# Altium PCB LST_UP.PcbDoc (part 2 of 5) (continued)
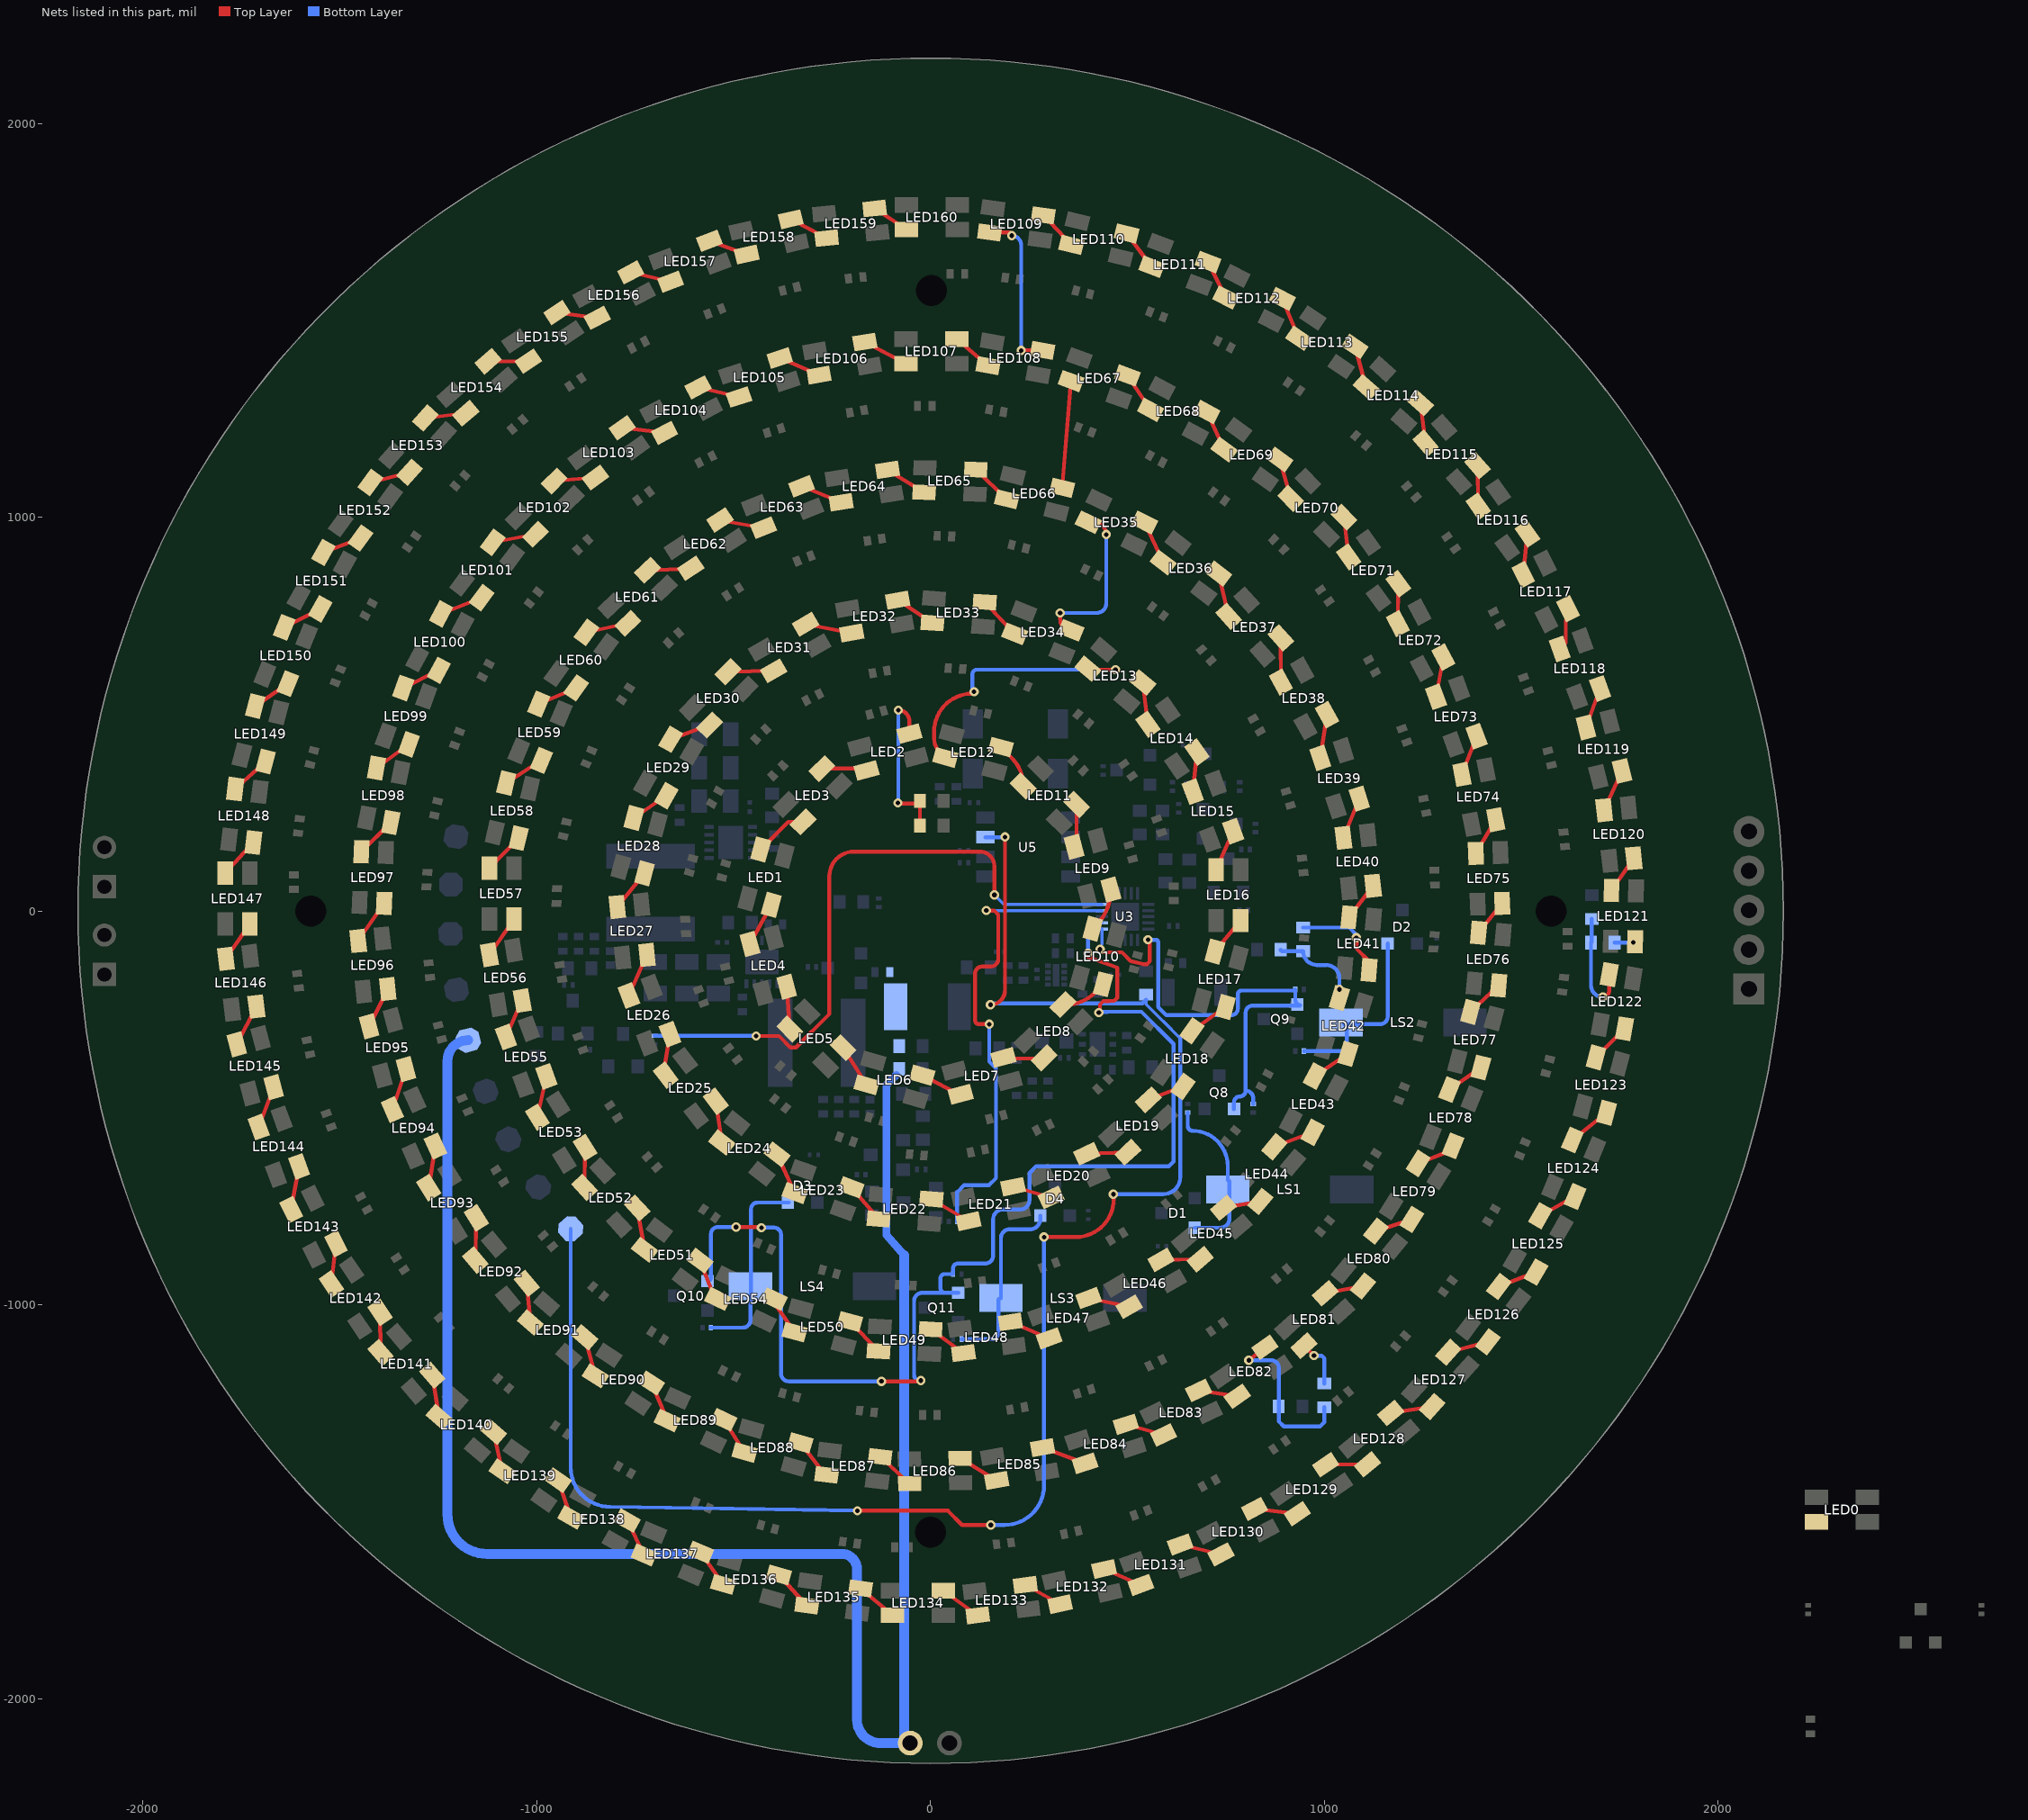
[diagram p2: the nets of this part, all layers, seen from the top]
## Part data (continued)
R14 R16: library part RK73H1ETTP1003F, "RES 100K OHM 1% 1/10W 0402", Case Code (Imperial)=0402, Case Code (Metric)=1005, Manufacturer="KOA Speer", Manufacturer Series=RK73H, Max Operating Temperature=155°C, Min Operating Temperature=-55°C, Package Quantity=10000, Package Shape=Rectangular, Power Rating=63mW, Resistance=100kR, Resistor Type="Thick Film", Supplier Part Number 1=2019-RK73H1ETTP1003FCT-ND, Temperature Coefficient=100ppm/°C, Tolerance=1%, Voltage Rating=50V, Additional Feature=PRECISION, Case/Package=0402, Category="Chip SMD Resistors", ComponentLink1Description=http://www.mouser.com/ds/2/219/RK73H-5715.pdf?src-supplier=Mouser, ComponentLink1URL=http://www.mouser.com/ds/2/219/RK73H-5715.pdf?src-supplier=Mouser, ComponentLink2Description=http://www.jameco.com/Jameco/Products/ProdDS/1882455.pdf?src-supplier=Jameco, ComponentLink2URL=http://www.jameco.com/Jameco/Products/ProdDS/1882455.pdf?src-supplier=Jameco, ComponentLink3Description=http://components.arrow.com/part/dataview/39721605S6492599N5146?src-supplier=Arrow+Electronics, ComponentLink3URL=http://components.arrow.com/part/dataview/39721605S6492599N5146?src-supplier=Arrow+Electronics, ComponentLink4Description=https://www.verical.com/server-webapp/html/getDatasheet?partID=26325&src-supplier=Verical, ComponentLink4URL=https://www.verical.com/server-webapp/html/getDatasheet?partID=26325&src-supplier=Verical, Construction=Rectangular, Depth=0.5mm, Height=0.35mm, Lead Free="Lead Free", Length=1mm, Manufacturer Part Number=RK73H1ETTP1003F, Military Standard=Not, Packaging="Tape and Reel", Pricing 1="1=0.10000, 10=0.02400, 100=0.00970, 1000=0.00437, 2500=0.00380, 5000=0.00314 (USD)", RoHS=Yes, RoHS Compliant=Yes, Series=RK73H, Size Code=0402, Stock 1=373472, Supplier 1=Digi-Key, Technology="METAL GLAZE/THICK FILM", Terminal Finish=Tin, Termination=SMD/SMT, Voltage Rating (DC)=50V, Width=0.5mm, Working Voltage=50V
R17 R18: library part RK73G1ETTP1004F, "RES 1M OHM 1% 1/10W 0402", Case Code (Imperial)=0402, Case Code (Metric)=1005, Manufacturer="KOA Speer", Package Quantity=10000, Resistance=4R, Supplier Part Number 1=2019-RK73G1ETTP1004FCT-ND, Case/Package=0402, Category="Chip SMD Resistors", ComponentLink1Description=http://www.mouser.com/ds/2/219/RK73G-9863.pdf?src-supplier=Mouser, ComponentLink1URL=http://www.mouser.com/ds/2/219/RK73G-9863.pdf?src-supplier=Mouser, Height=0.35mm, Length=1mm, Manufacturer Part Number=RK73G1ETTP1004F, Packaging="Tape and Reel", Pricing 1="1=0.29000, 10=0.24200, 100=0.09460, 1000=0.03960, 2500=0.03630, 5000=0.03300 (USD)", RoHS=Yes, RoHS Compliant=Yes, Series=RK73G, Stock 1=8474, Supplier 1=Digi-Key, Termination=SMD/SMT, Width=0.5mm
R19: library part RMCF0201FT4K70, "RES 4.7K OHM 1% 1/20W 0201", Case Code (Imperial)=0201, Case Code (Metric)=0603, Manufacturer="Stackpole Electronics", Max Operating Temperature=125°C, Max Power Dissipation=50mW, Min Operating Temperature=-55°C, Resistance=4.7kR, Resistor Type="Thick Film", Supplier Part Number 1=RMCF0201FT4K70CT-ND, Temperature Coefficient=200ppm/°C, Tolerance=1%, Case/Package=0201, Category="Chip SMD Resistors", ComponentLink1Description=https://www.seielect.com/catalog/SEI-Packaging.pdf?src-supplier=Digi-Key, ComponentLink1URL=https://www.seielect.com/catalog/SEI-Packaging.pdf?src-supplier=Digi-Key, ComponentLink2Description=https://www.seielect.com/catalog/SEI-RMCF_RMCP.pdf?src-supplier=Avnet, ComponentLink2URL=https://www.seielect.com/catalog/SEI-RMCF_RMCP.pdf?src-supplier=Avnet, Contact Plating=Tin,Matte, Height=0.009inch, Length=0.024inch, Manufacturer Part Number=RMCF0201FT4K70, Mount="Surface Mount", Number of Terminations=2, Packaging="Tape and Reel", Pricing 1="1=0.10000, 10=0.02300, 100=0.00940, 1000=0.00424, 2500=0.00368, 5000=0.00304 (USD)", Radiation Hardening=No, RoHS=Yes, Stock 1=325790, Supplier 1=Digi-Key, Width=0.012inch
R21 R22 R23 R24 R25 R26 R27: library part RC0201FR-0710KL, "RES SMD 10K OHM 1% 1/20W 0201", Case Code (Imperial)=0201, Case Code (Metric)=0603, Manufacturer=Yageo, Max Operating Temperature=125°C, Max Power Dissipation=50mW, Min Operating Temperature=-55°C, Package Quantity=1, Resistance=10kR, Resistor Type="Thick Film", Supplier Part Number 1=311-10.0KMCT-ND, Temperature Coefficient=200ppm/°C, Tolerance=1%, Voltage Rating=25V, Case/Package=0201, Category="Chip SMD Resistors", ComponentLink1Description=https://datasheet.ciiva.com/2467/pyu-r-int-thick-7-2467109.pdf?src-supplier=Digi-Key, ComponentLink1URL=https://datasheet.ciiva.com/2467/pyu-r-int-thick-7-2467109.pdf?src-supplier=Digi-Key, ComponentLink2Description=https://datasheet.ciiva.com/2467/pyu-r-int-thick-7-2467110.pdf?src-supplier=Digi-Key, ComponentLink2URL=https://datasheet.ciiva.com/2467/pyu-r-int-thick-7-2467110.pdf?src-supplier=Digi-Key, ComponentLink3Description=https://datasheet.ciiva.com/2467/pyu-r-int-thick-7-2467111.pdf?src-supplier=Digi-Key, ComponentLink3URL=https://datasheet.ciiva.com/2467/pyu-r-int-thick-7-2467111.pdf?src-supplier=Digi-Key, ComponentLink4Description=https://datasheet.ciiva.com/7660/1421516-7660807.pdf?src-supplier=Element14, ComponentLink4URL=https://datasheet.ciiva.com/7660/1421516-7660807.pdf?src-supplier=Element14, ComponentLink5Description=https://datasheet.ciiva.com/8891/pyu-rc0201-51-rohs-l-8-8891384.pdf?src-supplier=Avnet, ComponentLink5URL=https://datasheet.ciiva.com/8891/pyu-rc0201-51-rohs-l-8-8891384.pdf?src-supplier=Avnet, ComponentLink6Description=https://datasheet.ciiva.com/28405/pyu-rc0201-51-rohs-l-8-28405609.pdf?src-supplier=Avnet+Europe, ComponentLink6URL=https://datasheet.ciiva.com/28405/pyu-rc0201-51-rohs-l-8-28405609.pdf?src-supplier=Avnet+Europe, ComponentLink7Description=https://datasheet.ciiva.com/26829/getdatasheetpartid-421074-26829851.pdf?src-supplier=Verical, ComponentLink7URL=https://datasheet.ciiva.com/26829/getdatasheetpartid-421074-26829851.pdf?src-supplier=Verical, ComponentLink8Description=https://datasheet.ciiva.com/46391/1421516-46391339.pdf?src-supplier=Element14, ComponentLink8URL=https://datasheet.ciiva.com/46391/1421516-46391339.pdf?src-supplier=Element14, ComponentLink9Description=https://datasheet.ciiva.com/16855/pyu-rc0201-51-rohs-l-8-16855789.pdf?src-supplier=Avnet+Europe, ComponentLink9URL=https://datasheet.ciiva.com/16855/pyu-rc0201-51-rohs-l-8-16855789.pdf?src-supplier=Avnet+Europe, Contact Plating=Tin,Matte, Depth=0.3mm, Features="Moisture Resistant", Height=0.01inch, Lead Free="Lead Free", Length=0.6mm, Manufacturer Part Number=RC0201FR-0710KL, Military Standard=Not, Number of Pins=2, Number of Terminations=2, Packaging="Tape and Reel", Power Rating=50mW, Pricing 1="1=0.10000, 10=0.03600, 100=0.01480, 1000=0.00665, 2500=0.00577, 5000=0.00477 (USD)", Radiation Hardening=No, REACH SVHC="No SVHC", RoHS=Yes, Stock 1=6892350, Supplier 1=Digi-Key, Termination=SMD/SMT, Voltage Rating (DC)=25V, Weight=6E-06oz, Width=0.3mm, Working Voltage=25V
R28 R29 R30 R31: library part RK73H1HTTC47R0F, "RES 47 OHM 1% 1/20W 0201", Case Code (Imperial)=0201, Case Code (Metric)=0603, Manufacturer="KOA Speer", Max Operating Temperature=125°C, Min Operating Temperature=-55°C, Power Rating=50mW, Resistor Type="Thick Film", Supplier Part Number 1=2019-RK73H1HTTC47R0FCT-ND, Temperature Coefficient=200ppm/°C, Tolerance=1%, Voltage Rating=25V, Case/Package=0201, Category="Chip SMD Resistors", ComponentLink1Description=https://datasheet.ciiva.com/5552/rk73h-5552712.pdf?src-supplier=Mouser, ComponentLink1URL=https://datasheet.ciiva.com/5552/rk73h-5552712.pdf?src-supplier=Mouser, Construction=Rectangular, Depth=0.3mm, Length=0.6mm, Manufacturer Part Number=RK73H1HTTC47R0F, Military Standard=Not, Packaging="Tape and Reel", Pricing 1="1=0.10000, 10=0.07500, 100=0.03050, 1000=0.01370, 2500=0.01189, 5000=0.00982 (USD)", Resistance=47R, RoHS=Yes, RoHS Compliant=Yes, Series=RK73H, Stock 1=7660, Supplier 1=Digi-Key, Termination=SMD/SMT, Voltage Rating (DC)=25V
SB1 SB2 SB3 SB4 SB7 SB8 SB9 SB10 SB11 SB12 SB13 SB14 SB15 SB16 SB17 SB18 SB19 SB20 SB_L1 SB_L2 SB_L3 SB_L4: "Solder Bridge ON"
SB5 SB6: library part "Solder Bridge Trough hole", "Solder Bridge ON"
SW1: "SWITCH TACTILE SPST-NO 0.05A 12V", Contact Current Rating=50mA, Contact Resistance=100mR, Insulation Resistance=100MR, Manufacturer=Omron, Max Operating Temperature=70°C, Max Voltage Rating (DC)=12V, Min Operating Temperature=-25°C, Operating Force=1.5N, Package Quantity=1, Ratings="Dust Proof,IP40", Supplier Part Number 1=SW1020DKR-ND, Actuator Length=0.4mm, Actuator Type=Standard, ComponentLink1Description=http://www.farnell.com/datasheets/60838.pdf?src-supplier=Farnell, ComponentLink1URL=http://www.farnell.com/datasheets/60838.pdf?src-supplier=Farnell, ComponentLink2Description=http://www.farnell.com/datasheets/60838.pdf?src-supplier=Element14, ComponentLink2URL=http://www.farnell.com/datasheets/60838.pdf?src-supplier=Element14, ComponentLink3Description=https://omronfs.omron.com/en_US/ecb/products/pdf/en-b3u.pdf?src-supplier=Digi-Key, ComponentLink3URL=https://omronfs.omron.com/en_US/ecb/products/pdf/en-b3u.pdf?src-supplier=Digi-Key, ComponentLink4Description=http://www.omron.com/ecb/products/pdf/en-b3u.pdf?src-supplier=Digi-Key, ComponentLink4URL=http://www.omron.com/ecb/products/pdf/en-b3u.pdf?src-supplier=Digi-Key, ComponentLink5Description=https://www.distrelec.biz/Web/Downloads/he/et/B3U_eng_datasheet.pdf?mime=application%2Fpdf&src-supplier=Distrelec, ComponentLink5URL=https://www.distrelec.biz/Web/Downloads/he/et/B3U_eng_datasheet.pdf?mime=application%2Fpdf&src-supplier=Distrelec, ComponentLink6Description=http://www.onlinecomponents.com/productFiles/mf-OM/en-b3u.pdf?src-supplier=Onlinecomponents.com, ComponentLink6URL=http://www.onlinecomponents.com/productFiles/mf-OM/en-b3u.pdf?src-supplier=Onlinecomponents.com, ComponentLink7Description=https://www.verical.com/server-webapp/html/getDatasheet?partID=552554&src-supplier=Verical, ComponentLink7URL=https://www.verical.com/server-webapp/html/getDatasheet?partID=552554&src-supplier=Verical, ComponentLink8Description=http://www.farnell.com/datasheets/1685550.pdf?src-supplier=Element14, ComponentLink8URL=http://www.farnell.com/datasheets/1685550.pdf?src-supplier=Element14, ComponentLink9Description=http://www.farnell.com/datasheets/2610940.pdf?src-supplier=Farnell, ComponentLink9URL=http://www.farnell.com/datasheets/2610940.pdf?src-supplier=Farnell, ComponentLink10Description=https://www.alliedelec.com/m/d/4c8a9ef82804fc3c241a13c1e298fd73.pdf?src-supplier=Allied+Electronics, ComponentLink10URL=https://www.alliedelec.com/m/d/4c8a9ef82804fc3c241a13c1e298fd73.pdf?src-supplier=Allied+Electronics, Contact Material=Silver, Current Rating=50mA, Depth=2.5mm, Electrical Life=200000Cycles, Height=1.2mm, Illumination Type=Non-Illuminated,Illuminated, Lead Free="Lead Free", Length=4mm, Manufacturer Part Number=B3U-1000P, Max Current Rating=50mA, Mechanical Life=200000Cycles, Mount="Surface Mount", Orientation=Straight, Packaging="Tape and Reel", Pricing 1="1=1, 10=0.961, 25=0.9064, 50=0.7976, 100=0.7251, 250=0.68888, 500=0.67074, 1000=0.52571 (USD)", REACH SVHC=Unknown, Stock 1=116454, Supplier 1=Digi-Key, Switch Function=Off-Mom, Switch Travel=0.15mm, Termination=SMD/SMT, Throw Configuration=SPST, Voltage Rating (DC)=12V, Weight=0.000776oz, Width=3mm
SW2: "Conn Isolated Power Socket Strip SKT 20 POS 4.19mm Solder ST Thru-Hole 20 Terminal 1 Port Tube", Current=15A, Features=Momentary, Material=Plastic, Model Number=PBS-110, Switch Type="Push Button Switch"
U1 U2: "IC REG BOOST ADJ 4A 10VSON", Manufacturer="Texas Instruments", Max Input Voltage=5.5V, Max Operating Temperature=85°C, Max Output Current=2.1A, Min Input Voltage=2.3V, Min Operating Temperature=-40°C, Min Output Voltage=2.5V, Package Quantity=3000, Quiescent Current=35uA, Supplier Part Number 1=296-37761-1-ND, Switching Frequency=2MHz, Category="Power Supply Modules", ComponentLink1Description=https://datasheet.ciiva.com/48475/tps61230-48475574.pdf?src-supplier=Avnet, ComponentLink1URL=https://datasheet.ciiva.com/48475/tps61230-48475574.pdf?src-supplier=Avnet, Contact Plating=Gold, Efficiency=96%, Height=0.95mm, Lead Free="Lead Free", Length=3.1mm, Manufacturer Part Number=TPS61230DRCR, Max Output Voltage=5.5V, Number of Outputs=1, Number of Pins=10, Operating Supply Voltage=5.5V, Output Configuration=Positive, Output Current=2.1A, Output Type=Adjustable, Output Voltage=5.5V, Packaging="Tape and Reel", Pricing 1="1=2.61000, 10=2.34800, 25=2.21520, 100=1.77230, 250=1.55080, 500=1.50648, 1000=1.19632 (USD)", Radiation Hardening=No, REACH SVHC="No SVHC", RoHS=Yes, RoHS Compliant=Yes, Stock 1=42459, Supplier 1=Digi-Key, Synchronous Rectifier=Yes, Topology=Boost, Weight=0.001058oz, Width=3.1mm
U3: "IC MCU 8BIT 16KB FLASH 20VQFN", Case/Package=VQFN, Frequency=20MHz, Manufacturer=Microchip, Max Operating Temperature=105°C, Min Operating Temperature=-40°C, Supplier Part Number 1=ATTINY1616-MNRCT-ND, Category=Microcontrollers, ComponentLink1Description=http://www.microchip.com/mymicrochip/filehandler.aspx?ddocname=en606269&src-supplier=Digi-Key, ComponentLink1URL=http://www.microchip.com/mymicrochip/filehandler.aspx?ddocname=en606269&src-supplier=Digi-Key, Core Architecture=AVR, Interface=I2C,SPI,IrDA,UART,USART, Manufacturer Part Number=ATTINY1616-MNR, Memory Size=16KB, Memory Type=FLASH, Number of I/Os=18, Oscillator Type=Internal, Packaging="Cut Tape", Peripherals="Brown-out Detect/Reset,POR,PWM,WDT", Pricing 1="1=0.75000, 25=0.69000, 100=0.62000 (USD)", RoHS=No, Stock 1=3963, Supplier 1=Digi-Key
U4: "IC REG LINEAR 3.3V 1A 8XDFN", Dropout Voltage=95mV, Manufacturer="ON Semiconductor", Max Operating Temperature=125°C, Min Current Limit=1.1A, Min Operating Temperature=-40°C, Output Current=1A, Output Voltage=3.3V, Supplier Part Number 1=NCP186AMX330TAGOSCT-ND, ComponentLink1Description=http://www.farnell.com/datasheets/2236905.pdf?src-supplier=Farnell, ComponentLink1URL=http://www.farnell.com/datasheets/2236905.pdf?src-supplier=Farnell, ComponentLink2Description=http://www.farnell.com/datasheets/2236905.pdf?src-supplier=Newark, ComponentLink2URL=http://www.farnell.com/datasheets/2236905.pdf?src-supplier=Newark, ComponentLink3Description=http://www.onsemi.com/pub/Collateral/NCP186-D.PDF?src-supplier=Digi-Key, ComponentLink3URL=http://www.onsemi.com/pub/Collateral/NCP186-D.PDF?src-supplier=Digi-Key, ComponentLink4Description=https://www.onsemi.com/pub/Collateral/NCP186-D.PDF?src-supplier=Digi-Key, ComponentLink4URL=https://www.onsemi.com/pub/Collateral/NCP186-D.PDF?src-supplier=Digi-Key, Lead Free="Lead Free", Manufacturer Part Number=NCP186AMX330TAG, Mount="Surface Mount", Number of Pins=8, Number of Regulators=1, Packaging="Tape and Reel", Pricing 1="1=0.48, 10=0.39, 25=0.3564, 100=0.2405, 250=0.199, 500=0.18242, 1000=0.13682 (USD)", Stock 1=5995, Supplier 1=Digi-Key
U5: "IC RTC CLK/CALENDAR I2C 8-SOIC"
U6: "IC REG BOOST SYNC 5V 0.45A 6SON", Manufacturer="Texas Instruments", Max Input Voltage=5.5V, Max Operating Temperature=85°C, Max Output Current=450mA, Max Output Voltage=5V, Min Input Voltage=2.3V, Min Operating Temperature=-40°C, Nominal Supply Current=200uA, Package Quantity=3000, Quiescent Current=30uA, Supplier Part Number 1=296-39437-1-ND, Switching Frequency=3.5MHz, Category="Voltage Regulators - Switching", ComponentLink1Description=https://datasheet.ciiva.com/2034/tps61240-2034192.pdf?src-supplier=Digi-Key, ComponentLink1URL=https://datasheet.ciiva.com/2034/tps61240-2034192.pdf?src-supplier=Digi-Key, Contact Plating=Gold, Efficiency=90%, Lead Free="Lead Free", Manufacturer Part Number=TPS61240DRVR, Min Output Voltage=5V, Min Supply Voltage=2.3V, Number of Outputs=1, Number of Pins=6, Operating Supply Voltage=5.5V, Output Configuration=Positive, Output Current=450mA, Output Type=Fixed, Output Voltage=5V, Packaging="Tape and Reel", Pricing 1="1=1.16000, 10=1.03800, 25=0.98560, 100=0.75680, 250=0.66880, 500=0.63360, 1000=0.49280 (USD)", Radiation Hardening=No, RoHS=Yes, Stock 1=697, Supplier 1=Digi-Key, Synchronous Rectifier=Yes, Topology=Boost, Weight=0.000342oz
X1: library part CM200C32768DZFT, "CRYSTAL 32.7680KHZ 12.5PF SMD", Case/Package=SMD/SMT, ESR (Equivalent Series Resistance)=50kR, Frequency=32.768kHz, Frequency Tolerance=20ppm, Load Capacitance=12.5pF, Manufacturer=Citizen, Max Operating Temperature=85°C, Min Operating Temperature=-40°C, Package Quantity=3000, Supplier Part Number 1=695-CM200C-32768DZFT, Category=Crystals, ComponentLink1Description=https://datasheet.ciiva.com/13163/cm200c-citizen-187069-13163866.pdf?src-supplier=Mouser, ComponentLink1URL=https://datasheet.ciiva.com/13163/cm200c-citizen-187069-13163866.pdf?src-supplier=Mouser, ComponentLink2Description=https://datasheet.ciiva.com/16437/cm200c-250c-16437102.pdf?src-supplier=Future+Electronics, ComponentLink2URL=https://datasheet.ciiva.com/16437/cm200c-250c-16437102.pdf?src-supplier=Future+Electronics, ComponentLink3Description=https://datasheet.ciiva.com/48778/1673496-48778901.pdf?src-supplier=Element14, ComponentLink3URL=https://datasheet.ciiva.com/48778/1673496-48778901.pdf?src-supplier=Element14, Lead Free="Lead Free", Manufacturer Part Number=CM200C32768DZFT, Mount="Surface Mount", Packaging="Tape and Reel", Pricing 1="1=0.57000, 10=0.47500, 50=0.42700, 100=0.38000, 1000=0.30400, 10000=0.25400 (USD)", REACH SVHC=Unknown, RoHS=Yes, Stock 1=1, Supplier 1=Mouser

## Free pads (board coordinates)
  round 60 hole 78.74 unplated: MH1(2,1576) MH2(1576,0) MH3(0,-1577) MH4(-1574,0)

## Via types
v1: diameter 23.62, hole 11.81, Top Layer to Bottom Layer, tented top, 95 vias
v2: diameter 23.62, hole 11.81, Top Layer to Bottom Layer, 35 vias

## Nets (pads, with @x,y where several pads share a name; then routed paths per layer and width w, separated by ;. In a path a pad name is that pad's centre, name@x,y a point inside that pad or via, vN(x,y) a via of type N, cw(c..) or ccw(c..) an arc to the next point about the centre after c; other vN are vias at no path point)
A_LED_INPUT: LED2.4 SB1.2 SB2.2 | length 433.7
  Top Layer w10: v1(-83.29,275.13) ccw(c-81.55,275.13) -81.55,273.39 -34,273.39 ccw(c-34,280.39) SB2.2@-27,280.39 SB1.2@-27,217.39 ; v1(-82,510.39) cw(c-82,482.07) -53.68,482.07 LED2.4@-53.68,451.09
  Bottom Layer w10: v1@-82,276.42 v1(-82,510.39)
B_LED_INPUT: LED42.4 SB3.2 SB4.2 | length 245.5
  Top Layer w10: LED42.4@1038,-214.61 LED42.4@1039,-213.61 ; v1(1038,-198.61) 1038,-206.61 1042,-210.61 LED42.4@1039,-213.61 ; LED42.4@1038.13,-220.77 1039,-219.91 LED42.4@1039,-213.61
  Bottom Layer w10: SB4.2@889,-97.61 ccw(c893,-97.61) 893,-101.61 SB3.2@946,-101.61 ccw(c981,-101.61) 981,-136.61 1004,-136.61 cw(c1004,-170.61) 1038,-170.61 v1(1038,-198.61)
BAT_IN: C25.2 J2.1 P3.1 SB17.1 SB18.1 SW2.1 | length 4637.3
  Bottom Layer w10: J2.1@-68.5,-2112.61 J2.1@-52,-2112.61
  Bottom Layer w20: SB18.1@-87,-416 -112,-441 -112,-822 -67,-874
  Bottom Layer w25: P3.1@-1174,-327.61 ccw(c-1174,-380.61) -1227,-380.61 -1227,-1532 ccw(c-1127,-1532) -1127,-1632 -226,-1632 cw(c-226,-1671) -187,-1671 -187,-2053 ccw(c-127.39,-2053) -165.34,-2098.97 ccw(c-127.39,-2053) -144.84,-2110 ccw(c-127.39,-2053) -127.39,-2112.61 J2.1@-68.5,-2112.61 ; -67,-874 -67,-2097.61 ccw(c-52,-2097.61) J2.1@-52,-2112.61
BUZZ: D1.2 LS1.2 R28.1 | length 431.3
  Bottom Layer w10: R28.1@653,-511.44 653,-545.87 ccw(c664.74,-545.87) 664.74,-557.61 cw(c664.74,-647.39) 754.52,-647.39 754.52,-683.61 cw(c754.52,-688.09) 759,-688.09 759,-780.61 cw(c735.6,-780.61) 735.6,-804.01 D1.2@670.75,-804.01
BUZZ1: D2.2 LS2.2 R29.1 | length 482.5
  Bottom Layer w10: R29.1@947.83,-355.61 1039,-355.61 ccw(c1039,-337.61) 1057,-337.61 1057,-294.09 ccw(c1049.52,-294.09) 1049.52,-286.61 1142.06,-286.61 ccw(c1142.06,-268.06) 1160.6,-268.06 D2.2@1160.6,-81.93
BUZZ2: D3.2 LS4.2 R30.1 | length 498.7
  Bottom Layer w10: R30.1@-557.6,-1057.61 -477,-1057.61 ccw(c-477,-1038.09) -457.48,-1038.09 -457.48,-988.61 ccw(c-457.48,-987.13) -456,-987.13 -456,-756.61 cw(c-439.32,-756.61) -439.32,-739.93 D3.2@-360.4,-739.93
BUZZ3: D4.2 LS3.2 R31.1 | length 484.3
  Bottom Layer w10: R31.1@78.4,-1086.61 158.24,-1086.61 ccw(c158.24,-1072.85) 172,-1072.85 172,-989.13 cw(c178.52,-989.13) LS3.2@178.52,-982.61 178.52,-830 cw(c200.52,-830) 200.52,-808 252,-808 ccw(c252,-781.4) 278.6,-781.4 D4.2@278.6,-772.93
BUZZER: Q8.1 Q9.1 R24.1 R25.1 U3.6 | length 1333.8
  Top Layer w10: v1(430.37,-97.05) 437.66,-104.34 485.8,-104.34 508.01,-126.55 512.46,-127.84 541,-134.61 549.19,-134.61 556.73,-127.07 v1@556.73,-80.34
  Bottom Layer w8: 434.94,-83.67 U3.6@434.94,-45.6
  Bottom Layer w10: v1(552,-72.61) 571.22,-72.61 cw(c571.22,-79.32) 577.93,-79.32 577.93,-243.69 598.24,-264 764,-264 ccw(c764,-248) 780,-248 780,-211.61 cw(c790,-211.61) 790,-201.61 923.17,-201.61 ccw(c923.17,-198.61) R25.1@926.17,-198.61 926.17,-226.05 ccw(c938.32,-226.05) 938.32,-238.2 cw(c936.91,-238.2) 936.91,-239.61 818,-239.61 ccw(c818,-257.61) 800,-257.61 800,-455.61 ; Q8.1@770.41,-502.36 770.41,-485.2 cw(c785,-485.2) 785,-470.61 ccw(c785,-455.61) 800,-455.61 ; R24.1@819,-489.78 819,-474.61 ccw(c800,-474.61) 800,-455.61